# Altium PCB smoothieboard-alt.PcbDoc (part 1 of 3)
Units mm, origin at the board's own origin, x right, y up, seen from the top; angles counter-clockwise.
Board outline 129.67 x 105.03 mm, 4 copper layers (Top Layer, Layer 1, Layer 2, Bottom Layer), stack 1.876 mm thick; 360 components, 243 nets, 1161 pads, 133 vias.
Unrouted connection lines stored in the file: 613.
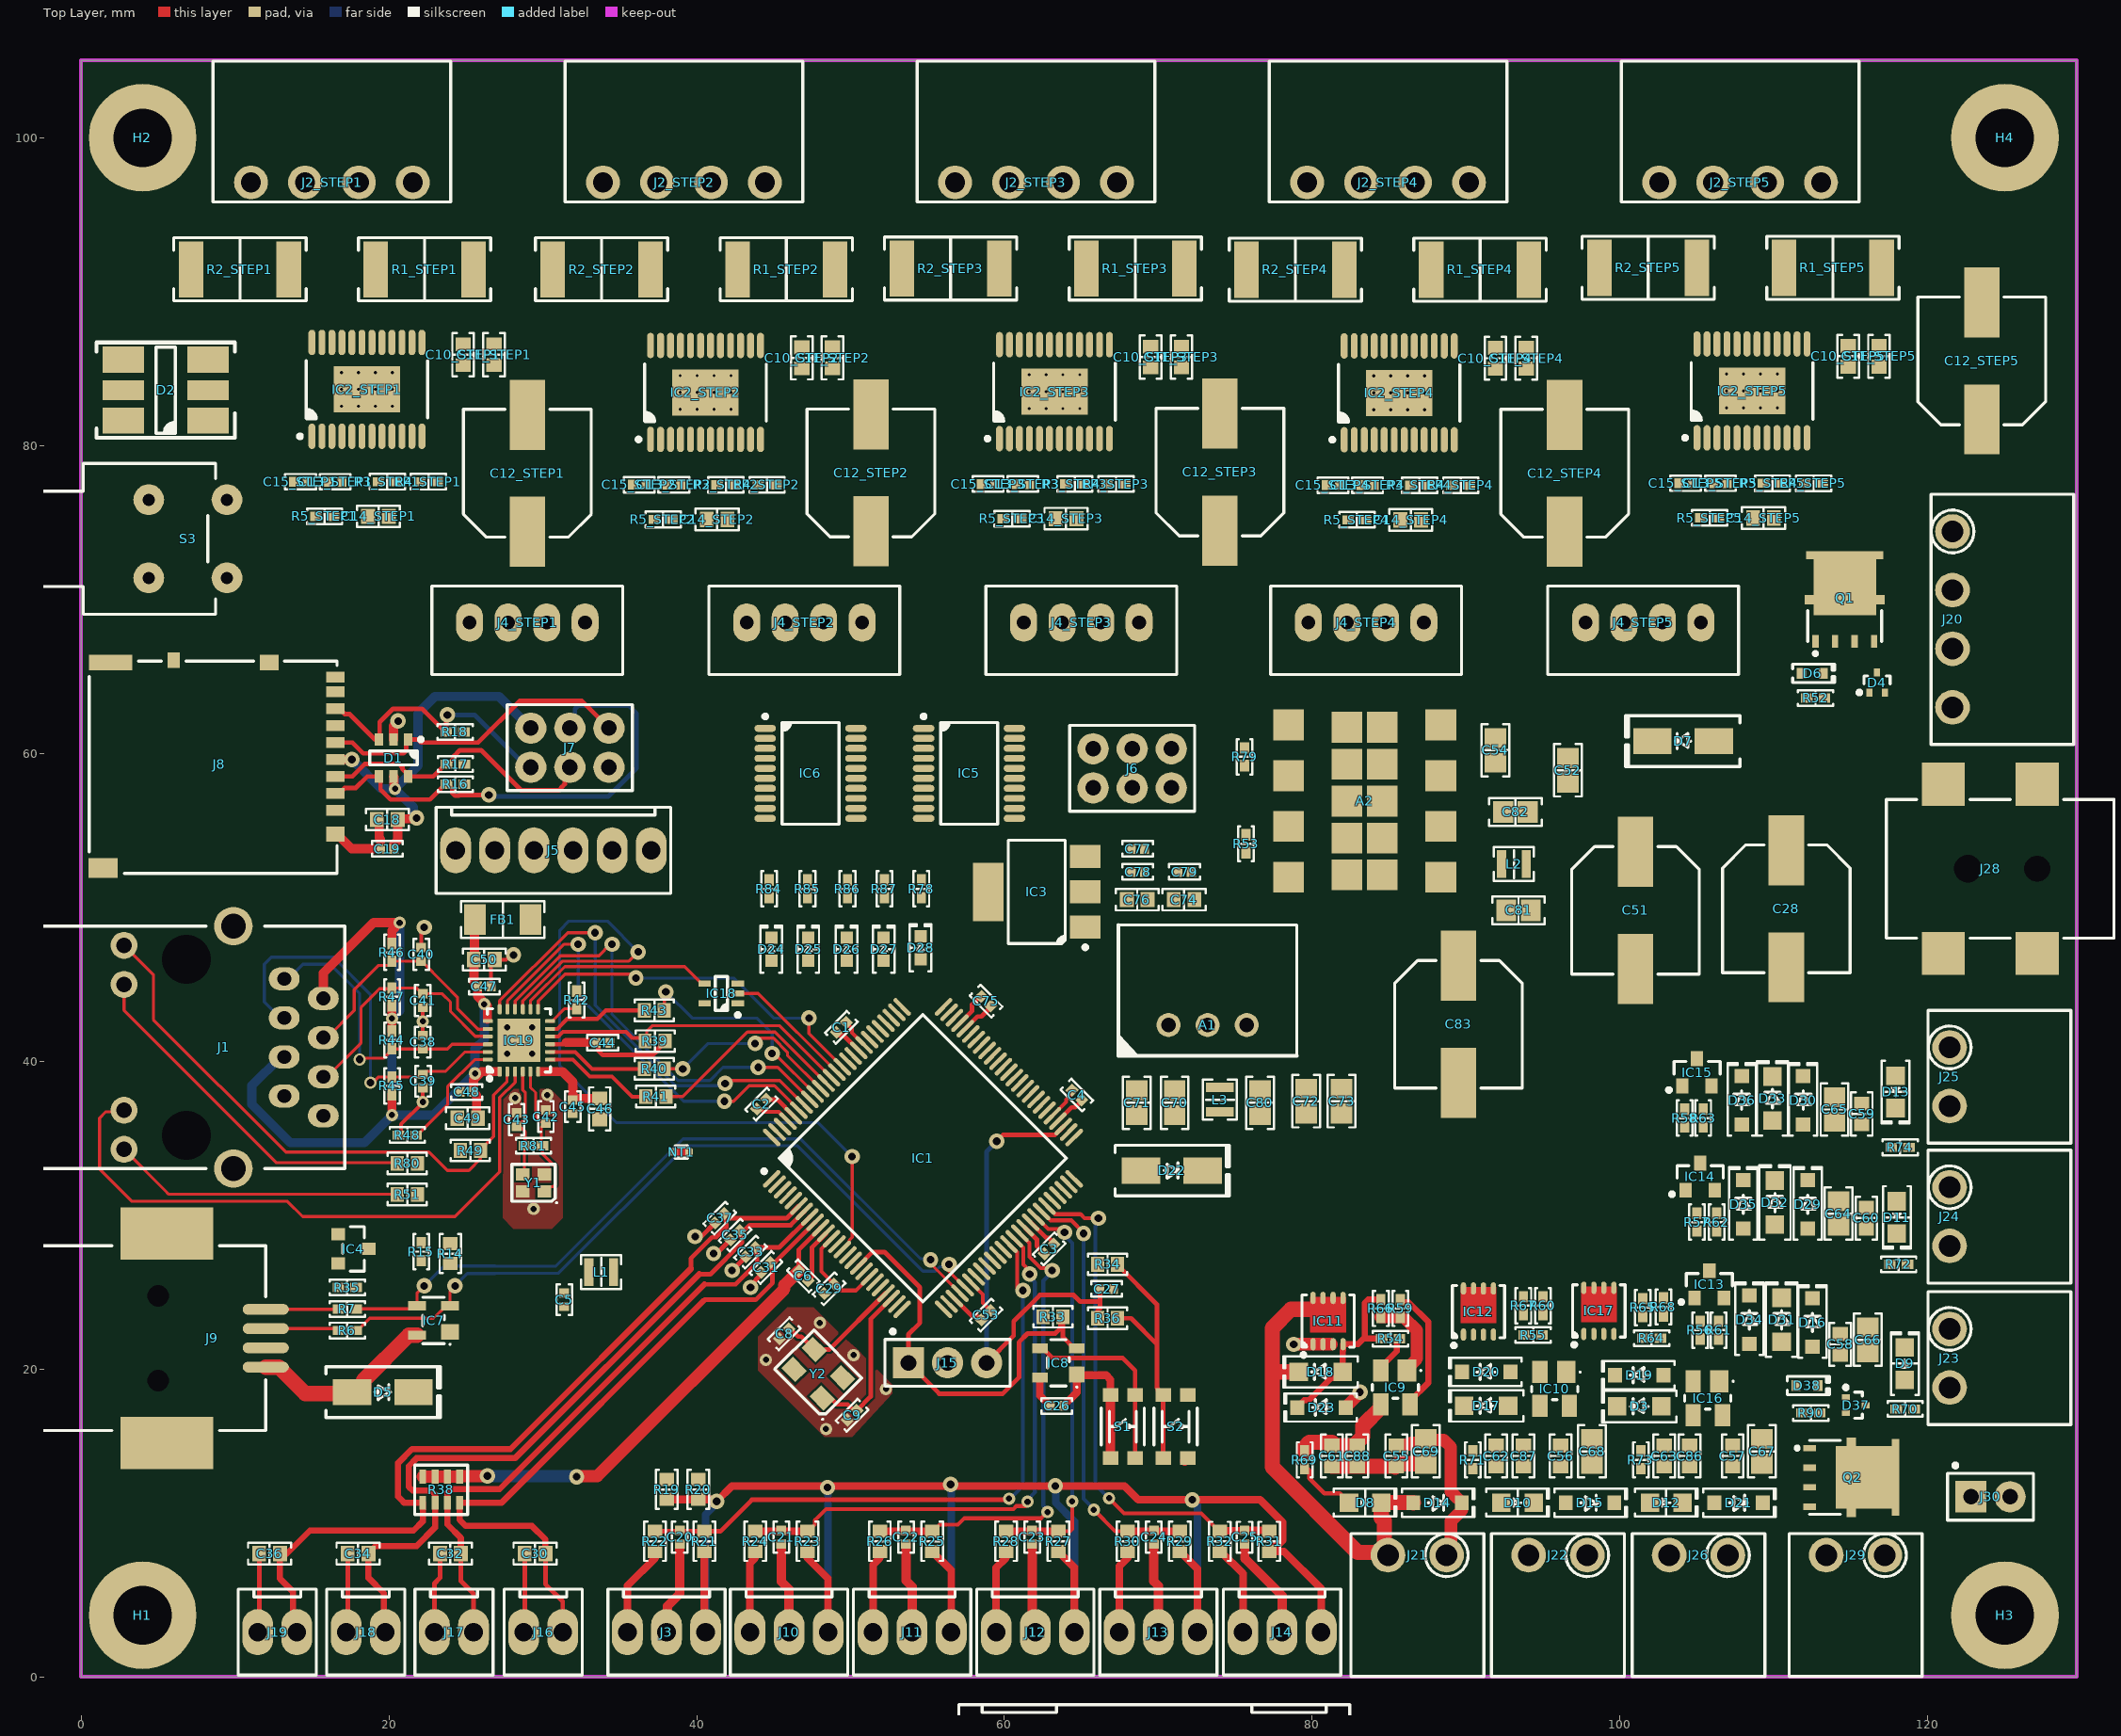
[diagram p0: Top Layer view]
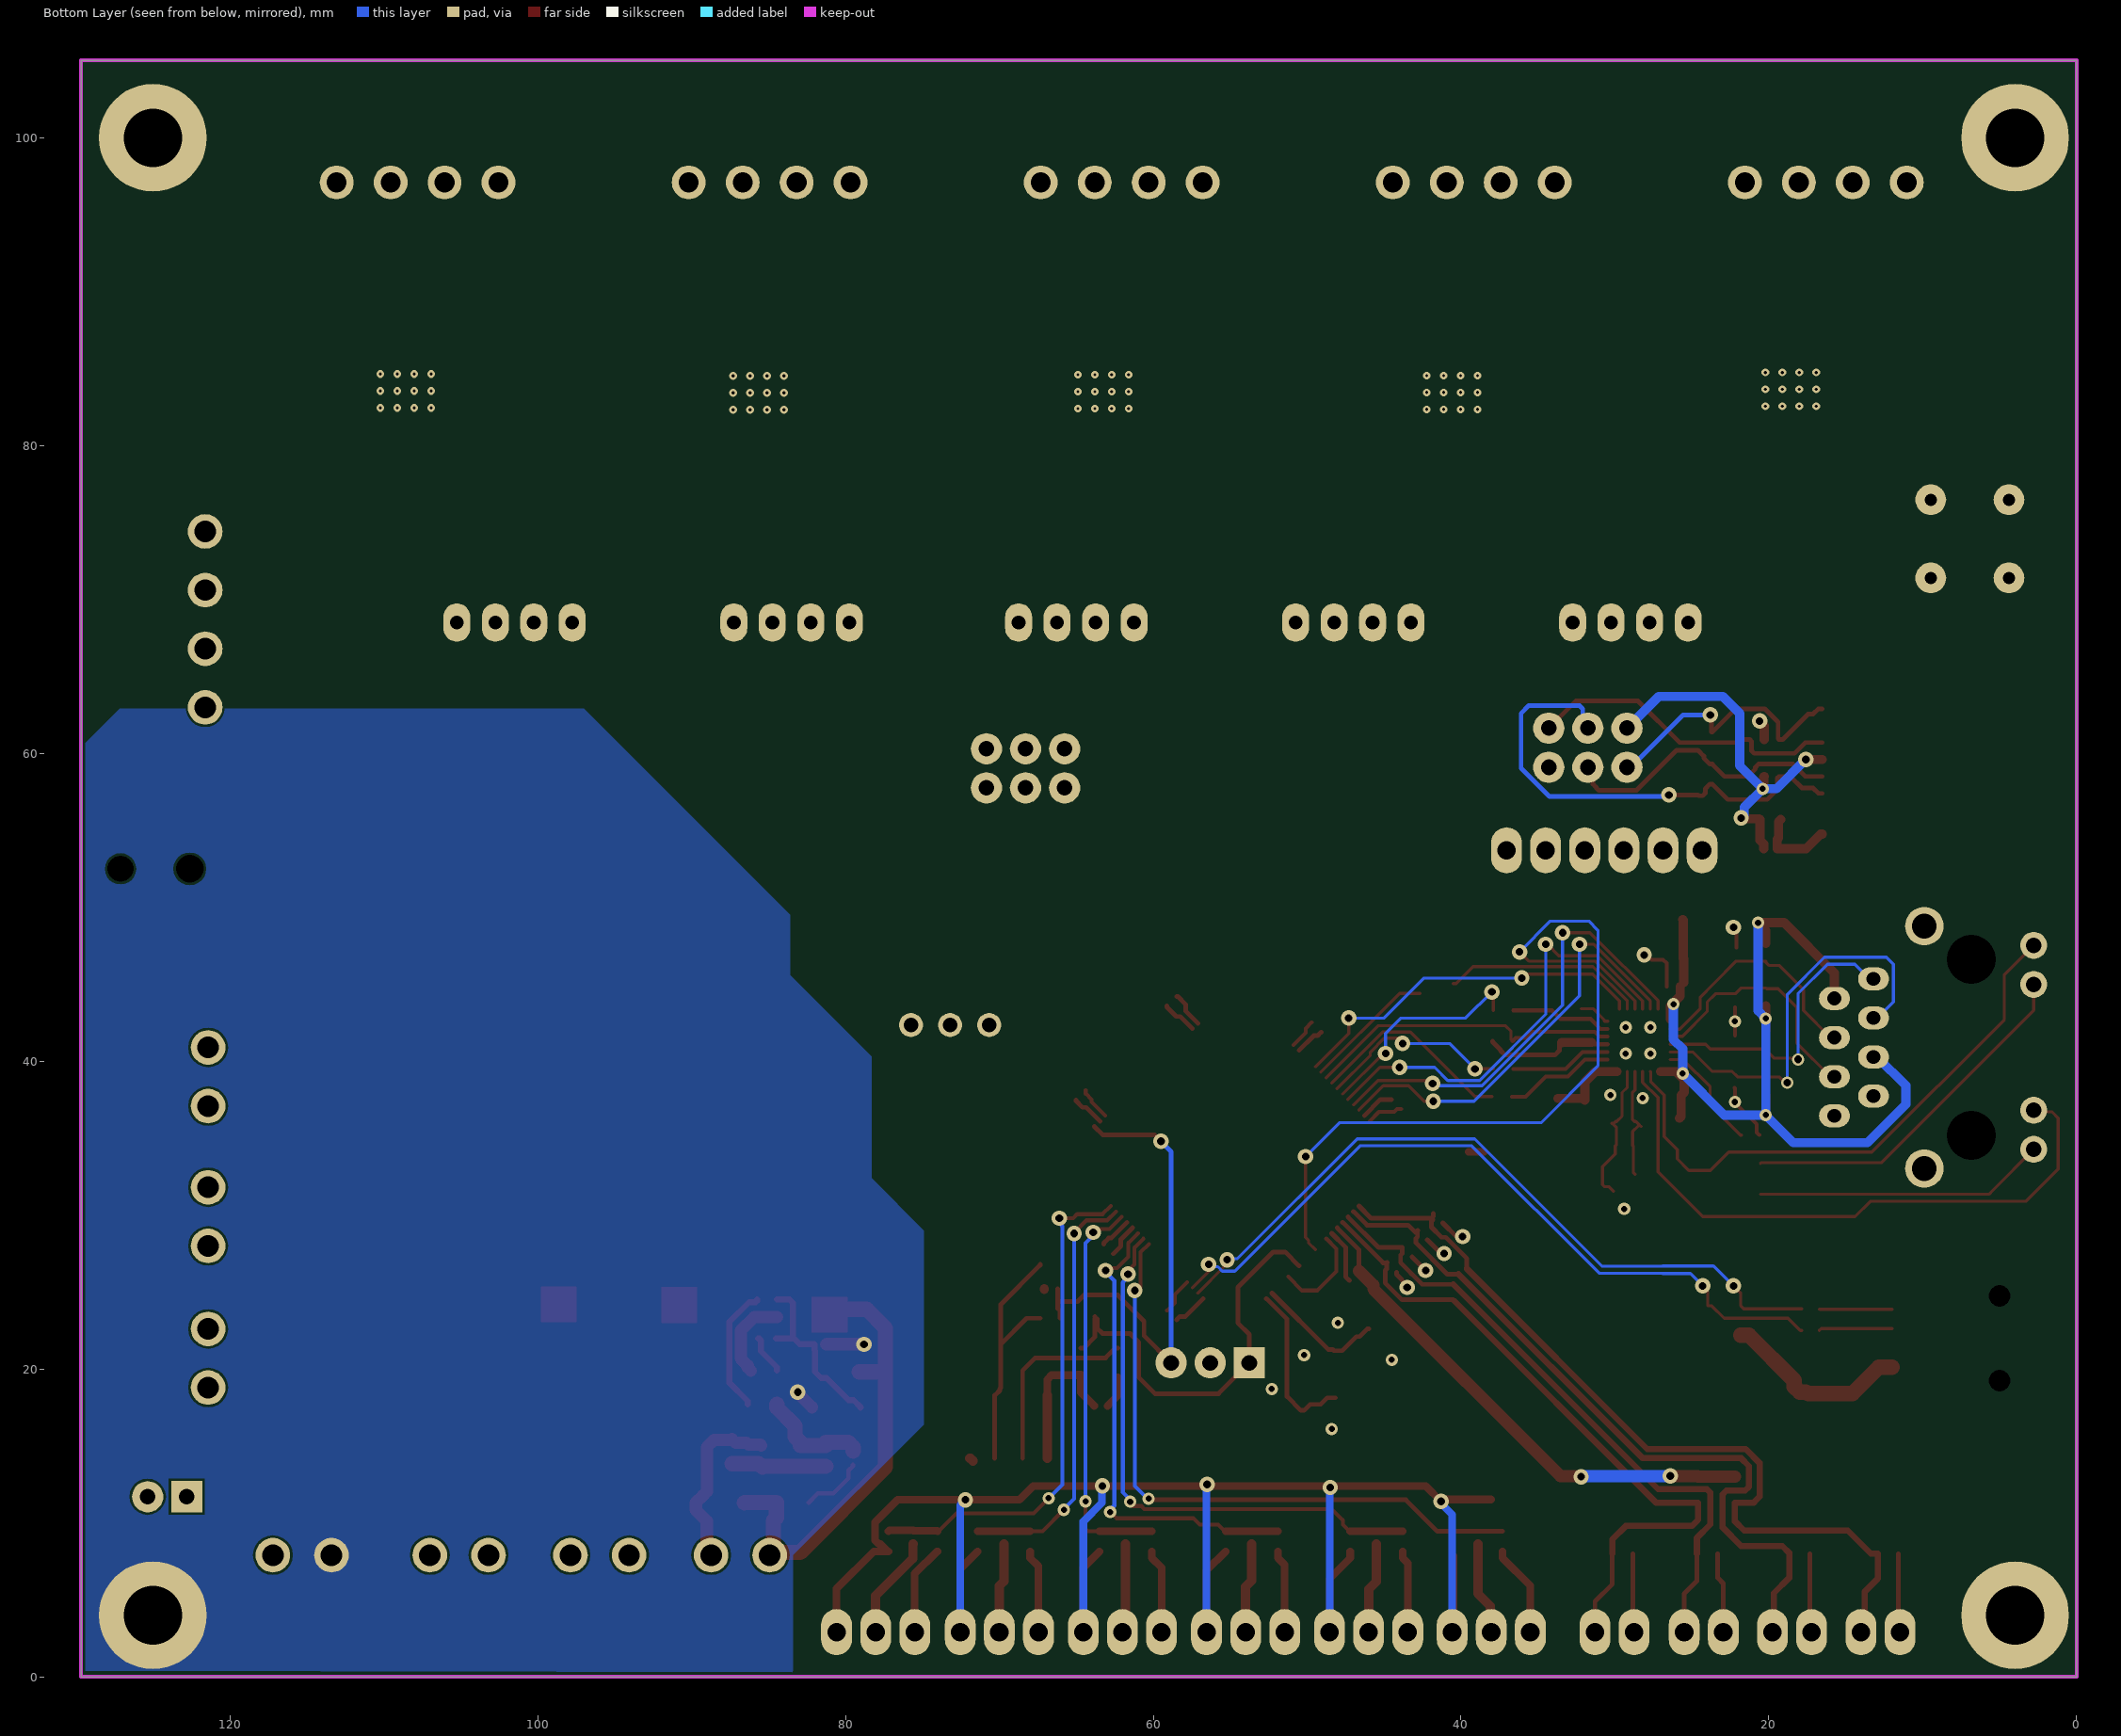
[diagram p1: Bottom Layer view, seen from below]
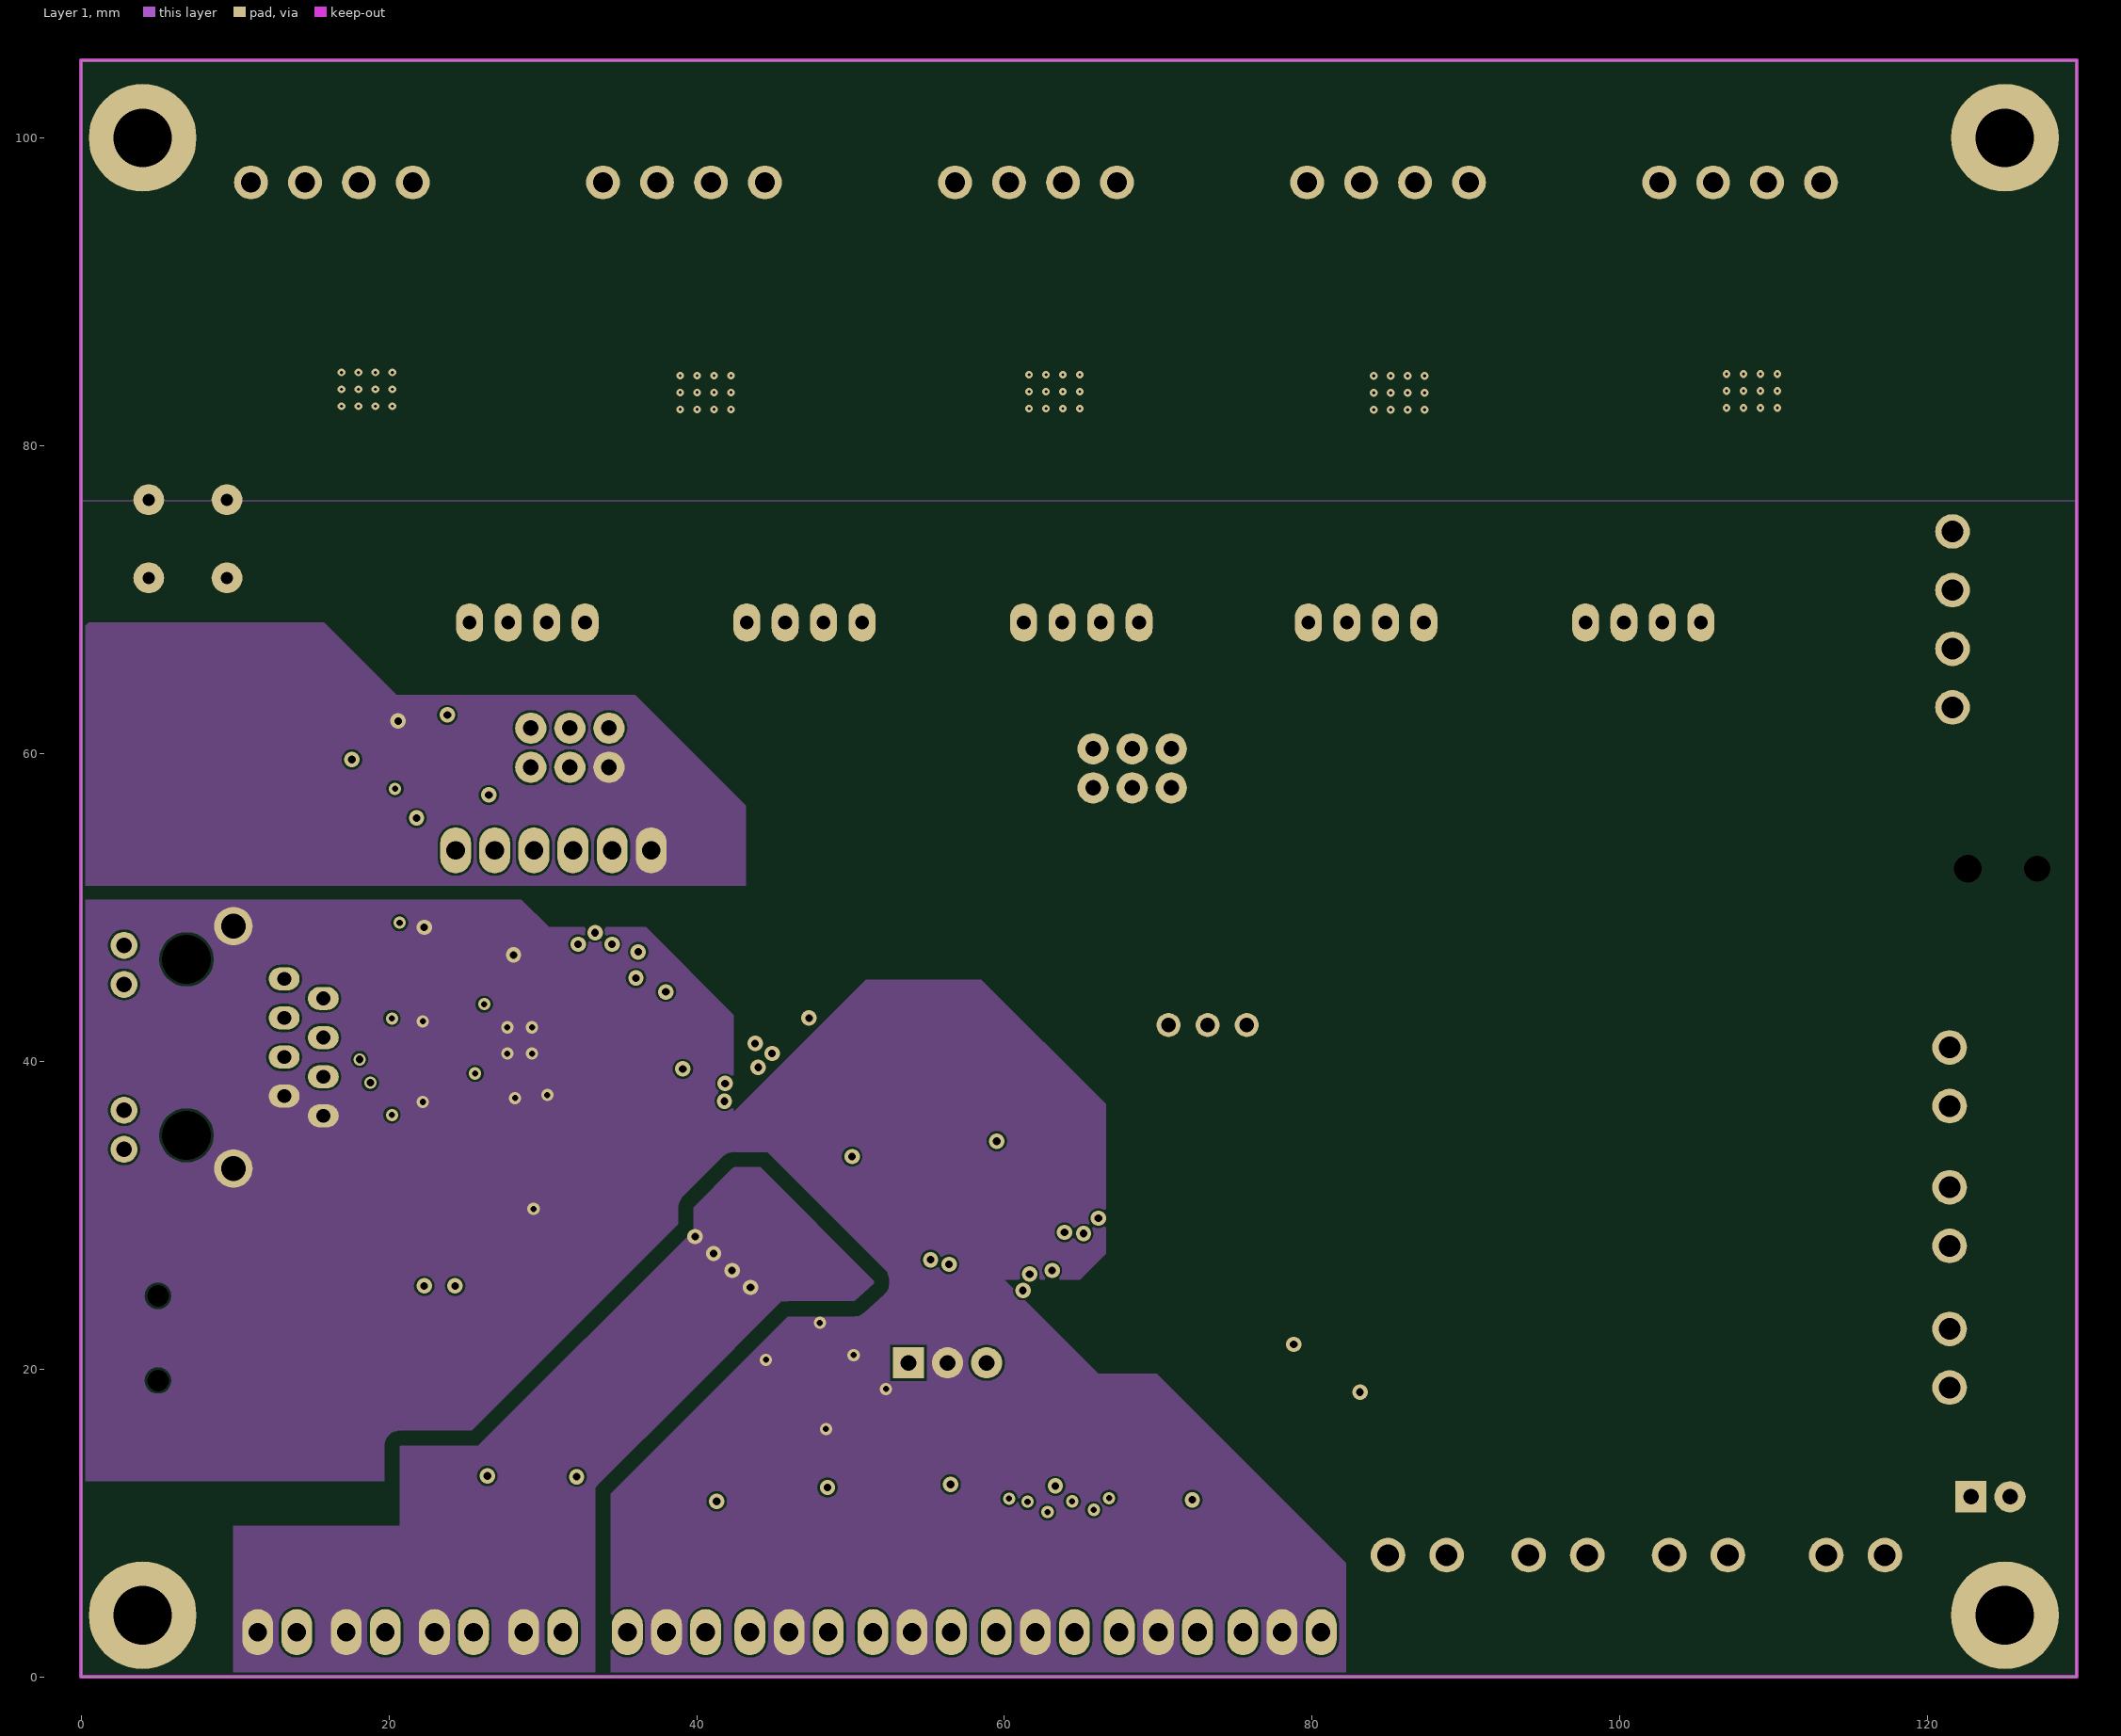
[diagram p2: Layer 1]

## Layer stack, top to bottom
Top Solder: solder mask 0.0102, Solder Resist, Dk 3.5
Top Layer: signal copper 0.07
Dielectric 2: prepreg 0.0711, PP-006, Dk 4.1
Layer 1: signal copper 0.035
Dielectric 1: dielectric 1.524, FR-4, Dk 4.8
Layer 2: signal copper 0.035
Dielectric 3: prepreg 0.0711, PP-006, Dk 4.1
Bottom Layer: signal copper 0.07
Bottom Solder: solder mask 0.0102, Solder Resist, Dk 3.5

## Board outline
0,0 129.667,0 129.667,105.029 0,105.029

## Design rules (kind name [scope] priority, off if disabled: settings)
Clearance Clearance_1 [InPoly and InNet('AGND') vs InPoly and InNet('SGND')] p1: gap=1 ignorepadtopadclearanceinfootprint=TRUE
Clearance [All] p2: gap=0.15 ignorepadtopadclearanceinfootprint=TRUE
DiffPairsRouting [All] p1: maxlimit=0.254 minlimit=0.254 mostfreqgap=0.254 toplayer_minwidth=0.2 toplayer_maxwidth=0.381 toplayer_prefwidth=0.381 midlayer1_minwidth=0.2 midlayer1_maxwidth=0.381 midlayer1_prefwidth=0.381 midlayer2_minwidth=0.2 midlayer2_maxwidth=0.381 midlayer2_prefwidth=0.381 bottomlayer_minwidth=0.2 bottomlayer_maxwidth=0.381 bottomlayer_prefwidth=0.381 maxuncoupledlength=12.7
PlaneClearance PlaneClearance_2 [All] p1: clearance=1
PlaneClearance [All] p2: clearance=0.508
PolygonConnect PolygonConnect_1 [IsVia] p1: connectstyle=Direct reliefconductorwidth=0.254 reliefentries=4 polygonreliefangle="90 Angle" airgapwidth=0.254
PolygonConnect [All] p2: connectstyle=Direct reliefconductorwidth=0.254 reliefentries=4 polygonreliefangle="90 Angle" airgapwidth=0.254
RoomDefinition STEP5 [InComponentClass('STEP5')] p1: confinementstyle=ConfineIn formatcopy=TRUE lockcomponents=FALSE outline 94.446,64.246 94.446,71.754 97.171,71.754 97.171,93.954 99.599,93.954 99.599,105.451 115.988,105.451 115.988,93.954 118.479,93.954 118.479,92.179 128.179,92.179 128.179,78.821 114.104,78.821 114.104,76.696 111.429,76.696 111.054,76.696 111.054,74.271 108.554,74.271 108.554,64.246
RoomDefinition STEP4 [InComponentClass('STEP4')] p2: confinementstyle=ConfineIn formatcopy=TRUE lockcomponents=FALSE outline 74.246,89.021 74.246,93.829 76.724,93.829 76.724,105.451 93.113,105.451 93.113,93.829 95.554,93.829 95.554,84.879 101.079,84.879 101.079,71.521 90.554,71.521 90.554,64.246 76.446,64.246 76.446,89.021
RoomDefinition STEP3 [InComponentClass('STEP3')] p3: confinementstyle=ConfineIn formatcopy=TRUE lockcomponents=FALSE outline 51.846,89.096 51.846,93.904 53.849,93.904 53.849,105.451 70.238,105.451 70.238,93.904 73.154,93.904 73.154,84.954 78.679,84.954 78.679,71.596 72.054,71.596 72.054,64.246 57.946,64.246 57.946,76.671 57.611,76.671 57.611,89.096
RoomDefinition STEP2 [InComponentClass('STEP2')] p4: confinementstyle=ConfineIn formatcopy=TRUE lockcomponents=FALSE outline 29.171,89.046 29.171,93.854 30.974,93.854 30.974,105.451 47.363,105.451 47.363,93.854 50.479,93.854 50.479,84.904 56.004,84.904 56.004,71.546 54.054,71.546 54.054,64.246 39.946,64.246 39.946,74.171 39.596,74.171 39.596,74.346 36.296,74.346 36.296,76.621 34.936,76.621 34.936,89.046
RoomDefinition STEP1 [InComponentClass('STEP1')] p5: confinementstyle=ConfineIn formatcopy=TRUE lockcomponents=FALSE outline 5.671,89.046 5.671,93.854 8.099,93.854 8.099,105.451 24.488,105.451 24.488,93.854 26.979,93.854 26.979,87.629 27.854,87.629 27.854,84.879 33.679,84.879 33.679,71.754 36.054,71.754 36.054,64.246 21.946,64.246 21.946,74.371 17.596,74.371 17.596,74.546 14.296,74.546 14.296,76.821 12.936,76.821 12.936,89.046
RoutingVias [All] p1: holewidth=0.711 width=1.27 viastyle="Through Hole" minholewidth=0.4 minwidth=1 maxholewidth=0.711 maxwidth=1.27
SMDEntry [All] p1: side=TRUE corner=TRUE anyangle=FALSE
SMDToPlane [All] p1: distance=0
SolderMaskExpansion isvia [isvia] p1: expansion=0.102 istentingtop=TRUE
SolderMaskExpansion [All] p2: expansion=0.102 istentingtop=FALSE
Width Width_ethpwr [(InNet('+3V3') OR InNet('+3V3_ETH'))] p1: maxlimit=1 minlimit=0.3 preferedwidth=0.8
Width Width_1 [InNetClass('Power')] p2: maxlimit=2 minlimit=0.7 preferedwidth=0.75
Width [All] p3: maxlimit=1 minlimit=0.2 preferedwidth=0.254
28 further rules are at their usual default settings.

## Classes and differential pairs
component class STEP1: C10_STEP1 C11_STEP1 C12_STEP1 C13_STEP1 C14_STEP1 C15_STEP1 C84_STEP1 C85_STEP1 D39_STEP1 D40_STEP1 IC2_STEP1 J2_STEP1 J4_STEP1 R1_STEP1 R2_STEP1 R3_STEP1 R4_STEP1 R5_STEP1
net class STP[0..4]: STP0 STP1 STP2 STP3 STP4
net class REF[0..4]: REF0 REF1 REF2 REF3 REF4
net class EN[0..4]: EN0 EN1 EN2 EN3 EN4
net class DIR[0..4]: DIR0 DIR1 DIR2 DIR3 DIR4
component class STEP5: C10_STEP5 C11_STEP5 C12_STEP5 C13_STEP5 C14_STEP5 C15_STEP5 C84_STEP5 C85_STEP5 D39_STEP5 D40_STEP5 IC2_STEP5 J2_STEP5 J4_STEP5 R1_STEP5 R2_STEP5 R3_STEP5 R4_STEP5 R5_STEP5
component class POWER: A1 A2 C28 C51 C52 C54 C70 C71 C72 C73 C74 C76 C77 C78 C79 C80 C81 C82 C83 D4 D5 D6 D7 D22 D28 D37 D38 IC3 J20 J28 J29 J30 L2 L3 Q1 Q2 R52 R53 R78 R79 R90
component class MCU: C1 C2 C3 C4 C5 C6 C7 C8 C9 C26 C27 C29 C53 C75 D2 D24 D25 D26 D27 IC1 IC4 IC8 J5 J6 J7 J15 L1 NT1 R14 R15 R33 R34 R35 R36 R37 R50 R75 R76 R77 R82 R83 R84 R85 R86 R87 R88 R89 S1 S2 S3 Y2
component class GPIO: C55 C56 C57 C58 C59 C60 C61 C62 C63 C64 C65 C66 C67 C68 C69 C86 C87 C88 D3 D8 D9 D10 D11 D12 D13 D14 D15 D16 D17 D18 D19 D20 D21 D23 D29 D30 D31 D32 D33 D34 D35 D36 IC9 IC10 IC11 IC12 IC13 IC14 IC15 IC16 IC17 J21 J22 J23 J24 J25 J26 J27 R54 R55 R56 R57 R58 R59 R60 R61 R62 R63 R64 R65 R66 R67 R68 R69 R70 R71 R72 R73 R74
component class "DIGI POTS": C16 C17 IC5 IC6 R8 R9 R10 R11 R12 R13
channel class smoothieboard-alt-p2: STEP2 STEP3 STEP4 Step4 Step5
component class STEP4: C10_STEP4 C11_STEP4 C12_STEP4 C13_STEP4 C14_STEP4 C15_STEP4 C84_STEP4 C85_STEP4 D39_STEP4 D40_STEP4 IC2_STEP4 J2_STEP4 J4_STEP4 R1_STEP4 R2_STEP4 R3_STEP4 R4_STEP4 R5_STEP4
component class STEP3: C10_STEP3 C11_STEP3 C12_STEP3 C13_STEP3 C14_STEP3 C15_STEP3 C84_STEP3 C85_STEP3 D39_STEP3 D40_STEP3 IC2_STEP3 J2_STEP3 J4_STEP3 R1_STEP3 R2_STEP3 R3_STEP3 R4_STEP3 R5_STEP3
component class smoothieboard-alt-p0: C18 C19 C20 C21 C22 C23 C24 C25 C30 C31 C32 C33 C34 C35 C36 C37 D1 G1 G2 H1 H2 H3 H4 IC7 J3 J8 J9 J10 J11 J12 J13 J14 J16 J17 J18 J19 NT2 R6 R7 R16 R17 R18 R19 R20 R21 R22 R23 R24 R25 R26 R27 R28 R29 R30 R31 R32 R38
component class STEP2: C10_STEP2 C11_STEP2 C12_STEP2 C13_STEP2 C14_STEP2 C15_STEP2 C84_STEP2 C85_STEP2 D39_STEP2 D40_STEP2 IC2_STEP2 J2_STEP2 J4_STEP2 R1_STEP2 R2_STEP2 R3_STEP2 R4_STEP2 R5_STEP2
component class ETHERNET: C38 C39 C40 C41 C42 C43 C44 C45 C46 C47 C48 C49 C50 FB1 IC18 IC19 J1 R39 R40 R41 R42 R43 R44 R45 R46 R47 R48 R49 R51 R80 R81 Y1
differential pair USB: +USB_P -USB_N
differential pair USB_D: +USB_D_P -USB_D_N
differential pair TX: +TX_P -TX_N
differential pair RX: +RX_P -RX_N

## Components (designator, comment, footprint, x,y, rotation, side; value= is the part's Value field where it differs from the comment)
A1 "R-78E5.0-0.5" "RECOM POWER R-78E3.3-1.0" 73.2,44.6 r0 top
A2 "MPM3550EGLE" "MPS LGA-18 12x12x4.2mm" 83.4,56.9 r0 top
C1 "0.1µF" "CAP 0402_1005" 49.4,42.2 r225 top
C2 "0.1µF" "CAP 0402_1005" 44.211,37.211 r45 top
C3 "0.1µF" "CAP 0402_1005" 62.9,27.8 r45 top
C4 "0.1µF" "CAP 0402_1005" 64.7,37.8 r315 top
C5 "0.1µF" "CAP 0402_1005" 31.4,24.5 r90 top
C6 "0.1µF" "CAP 0402_1005" 46.938,26.053 r135 top
C7 "0.1µF" "CAP 0402_1005" 135.3,77.26 r90 top
C8 "12pF" "CAP 0402_1005" 45.689,22.289 r225 top
C9 "12pF" "CAP 0402_1005" 50.1,17 r225 top
C10_STEP1 "0.1µF" "CAP 0603_1608" 24.825,85.9 r90 top (schematic designator C10)
C10_STEP2 "0.1µF" "CAP 0603_1608" 46.825,85.7 r90 top (schematic designator C10)
C10_STEP3 "0.1µF" "CAP 0603_1608" 69.5,85.75 r90 top (schematic designator C10)
C10_STEP4 "0.1µF" "CAP 0603_1608" 91.9,85.675 r90 top (schematic designator C10)
C10_STEP5 "0.1µF" "CAP 0603_1608" 114.825,85.8 r90 top (schematic designator C10)
C11_STEP1 "1µF" "CAP 0603_1608" 26.825,85.9 r90 top (schematic designator C11)
C11_STEP2 "1µF" "CAP 0603_1608" 48.825,85.7 r90 top (schematic designator C11)
C11_STEP3 "1µF" "CAP 0603_1608" 71.5,85.75 r90 top (schematic designator C11)
C11_STEP4 "1µF" "CAP 0603_1608" 93.9,85.675 r90 top (schematic designator C11)
C11_STEP5 "1µF" "CAP 0603_1608" 116.825,85.8 r90 top (schematic designator C11)
C12_STEP1 "47µF" "CAP ALSMD 8.3MM H10.5MM" 29,78.2 r90 top (schematic designator C12)
C12_STEP2 "47µF" "CAP ALSMD 8.3MM H10.5MM" 51.325,78.225 r90 top (schematic designator C12)
C12_STEP3 "47µF" "CAP ALSMD 8.3MM H10.5MM" 74,78.275 r90 top (schematic designator C12)
C12_STEP4 "47µF" "CAP ALSMD 8.3MM H10.5MM" 96.4,78.2 r90 top (schematic designator C12)
C12_STEP5 "47µF" "CAP ALSMD 8.3MM H10.5MM" 123.5,85.5 r90 top (schematic designator C12)
C13_STEP1 "0.1µF" "CAP 0402_1005" 16.515,77.65 r0 top (schematic designator C13)
C13_STEP2 "0.1µF" "CAP 0402_1005" 38.515,77.45 r0 top (schematic designator C13)
C13_STEP3 "0.1µF" "CAP 0402_1005" 61.19,77.5 r0 top (schematic designator C13)
C13_STEP4 "0.1µF" "CAP 0402_1005" 83.59,77.425 r0 top (schematic designator C13)
C13_STEP5 "0.1µF" "CAP 0402_1005" 106.515,77.55 r0 top (schematic designator C13)
C14_STEP1 "0.22µF" "CAP 0603_1608" 19.325,75.4 r0 top (schematic designator C14)
C14_STEP2 "0.22µF" "CAP 0603_1608" 41.325,75.2 r0 top (schematic designator C14)
C14_STEP3 "0.22µF" "CAP 0603_1608" 64,75.25 r0 top (schematic designator C14)
C14_STEP4 "0.22µF" "CAP 0603_1608" 86.4,75.175 r0 top (schematic designator C14)
C14_STEP5 "0.22µF" "CAP 0603_1608" 109.325,75.3 r0 top (schematic designator C14)
C15_STEP1 "0.1µF" "CAP 0402_1005" 14.265,77.65 r180 top (schematic designator C15)
C15_STEP2 "0.1µF" "CAP 0402_1005" 36.265,77.45 r180 top (schematic designator C15)
C15_STEP3 "0.1µF" "CAP 0402_1005" 58.94,77.5 r180 top (schematic designator C15)
C15_STEP4 "0.1µF" "CAP 0402_1005" 81.34,77.425 r180 top (schematic designator C15)
C15_STEP5 "0.1µF" "CAP 0402_1005" 104.265,77.55 r180 top (schematic designator C15)
C16 "0.1µF" "CAP 0402_1005" 143.69,64.143 r90 top
C17 "0.1µF" "CAP 0402_1005" 142.032,64.143 r90 top
C18 "1µF" "CAP 0603_1608" 19.9,55.7 r0 top
C19 "0.1µF" "CAP 0402_1005" 19.9,53.8 r0 top
C20 "0.1µF" "CAP 0402_1005" 38.9,9.071 r90 top
C21 "0.1µF" "CAP 0402_1005" 45.5,9.071 r90 top
C22 "0.1µF" "CAP 0402_1005" 53.6,9.071 r90 top
C23 "0.1µF" "CAP 0402_1005" 61.8,9.071 r90 top
C24 "0.1µF" "CAP 0402_1005" 69.7,9.071 r90 top
C25 "0.1µF" "CAP 0402_1005" 75.6,9.07 r90 top
C26 "0.1µF" "CAP 0402_1005" 63.4,17.6 r180 top
C27 "0.1µF" "CAP 0402_1005" 66.64,25.2 r180 top
C28 "68µF" "CAP ALSMD 8.3MM H10.5MM" 110.8,49.9 r270 top
C29 "0.1µF" "CAP 0402_1005" 48.611,25.211 r45 top
C30 "1µF" "CAP 0603_1608" 29.5,8 r0 top
C31 "0.1µF" "CAP 0402_1005" 44.5,26.6 r45 top
C32 "1µF" "CAP 0603_1608" 24,8 r0 top
C33 "0.1µF" "CAP 0402_1005" 43.5,27.6 r45 top
C34 "1µF" "CAP 0603_1608" 18,8 r0 top
C35 "0.1µF" "CAP 0402_1005" 42.5,28.7 r45 top
C36 "1µF" "CAP 0603_1608" 12.25,8 r0 top
C37 "0.1µF" "CAP 0402_1005" 41.5,29.8 r45 top
C38 "18pF" "CAP 0402_1005" 22.2,41.24 r270 top
C39 "18pF" "CAP 0402_1005" 22.22,38.7 r90 top
C40 "18pF" "CAP 0402_1005" 22.1,46.94 r270 top
C41 "18pF" "CAP 0402_1005" 22.2,43.94 r90 top
C42 "12pF" "CAP 0402_1005" 30.2,36.4 r90 top
C43 "12pF" "CAP 0402_1005" 28.3,36.2 r90 top
C44 "0.1µF" "CAP 0402_1005" 33.9,41.2 r180 top
C45 "0.1µF" "CAP 0402_1005" 31.95,37.04 r90 top
C46 "1µF" "CAP 0603_1608" 33.7,36.9 r90 top
C47 "0.1µF" "CAP 0402_1005" 26.2,44.85 r180 top